# Altium PCB Copy of PCB1.PcbDoc (part 2 of 3) (continued)
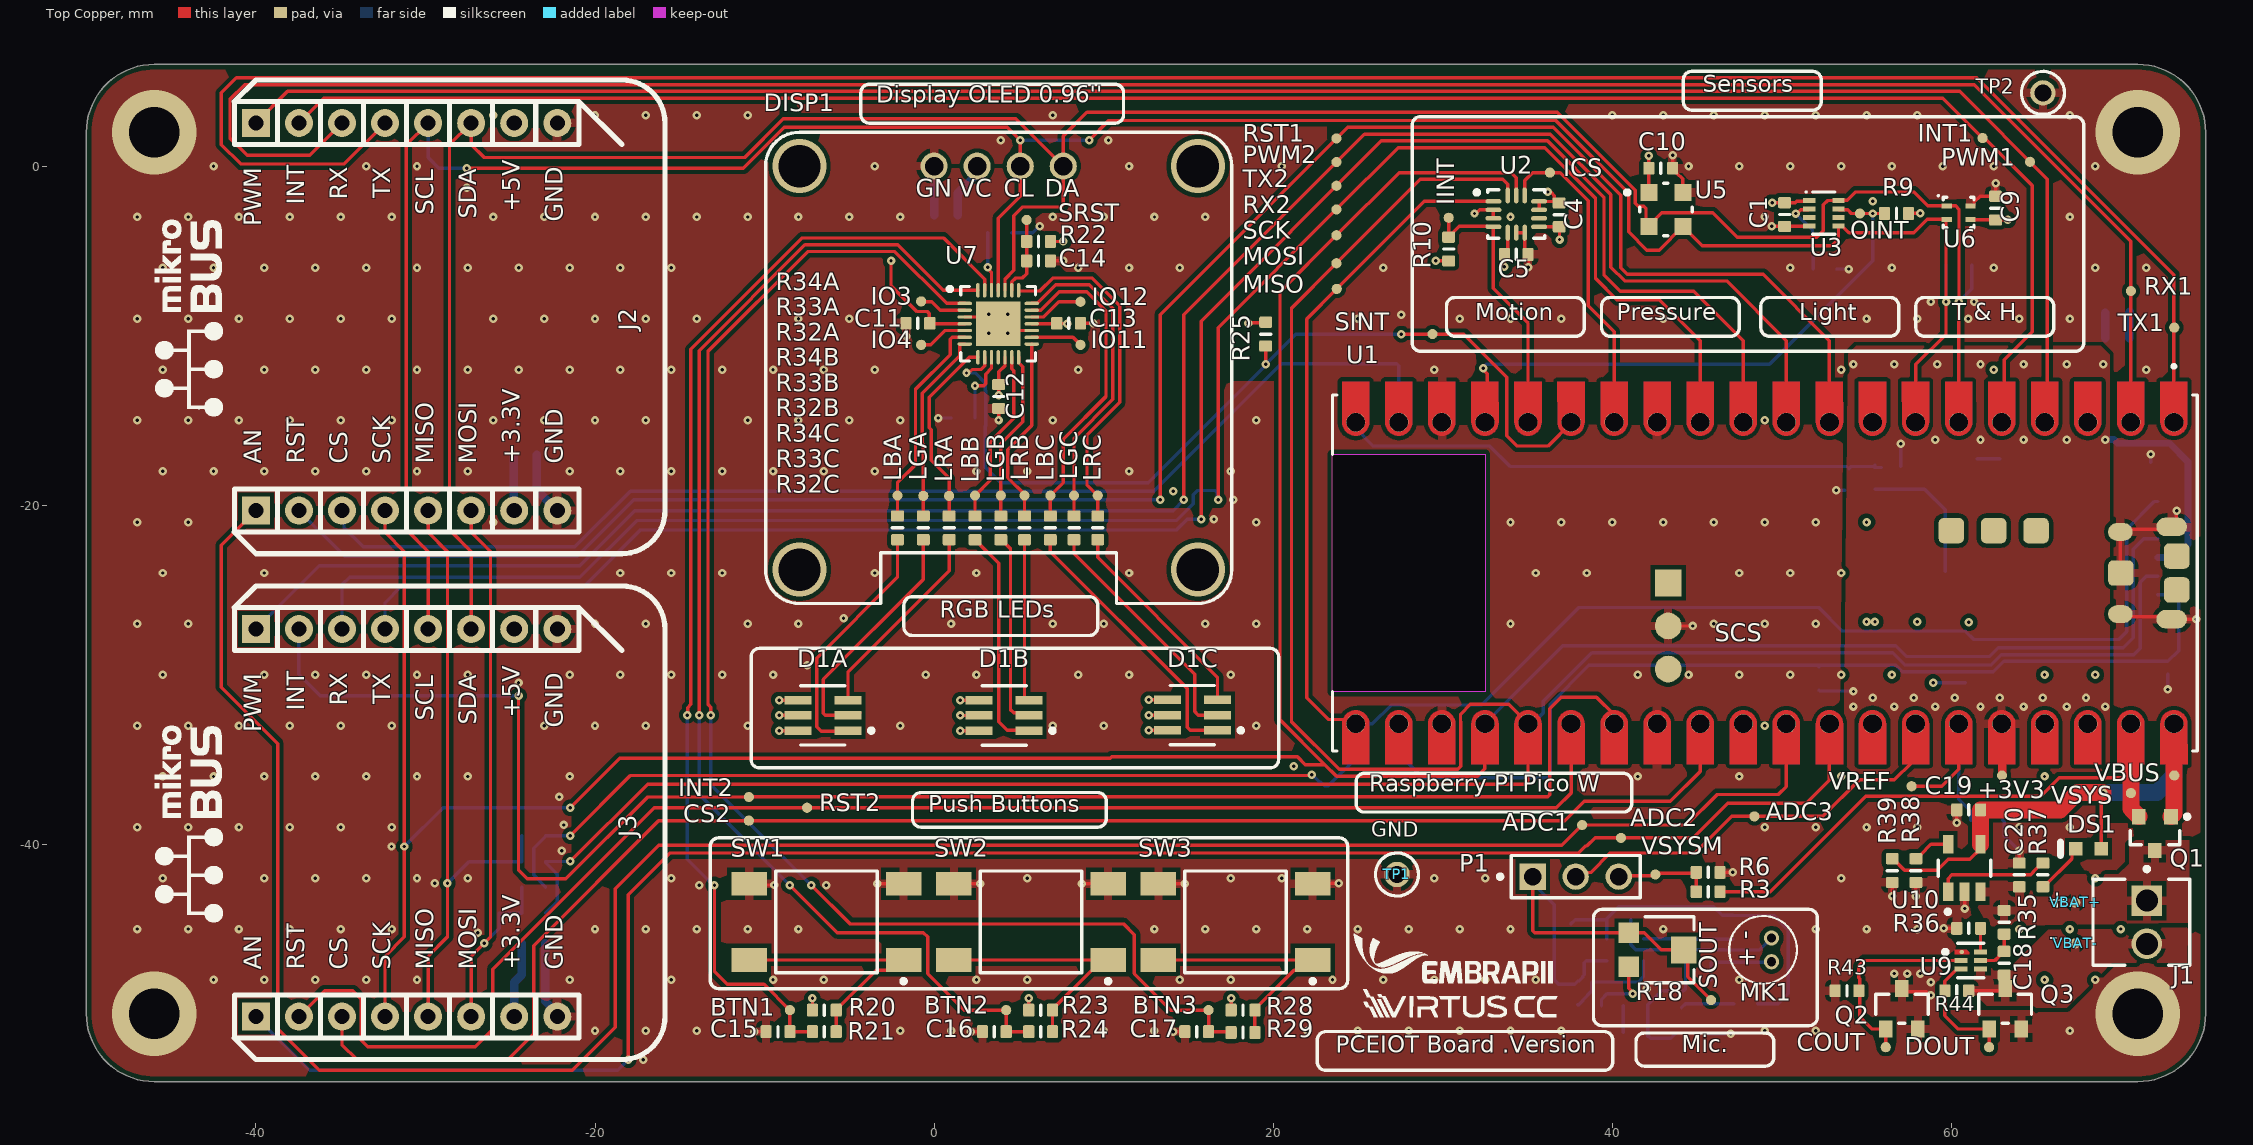
[diagram p0: Top Copper view]
## Nets (pads, with @x,y where several pads share a name; then routed paths per layer and width w, separated by ;. In a path a pad name is that pad's centre, name@x,y a point inside that pad or via, vN(x,y) a via of type N, cw(c..) or ccw(c..) an arc to the next point about the centre after c; other vN are vias at no path point) (continued)
  Top Copper w0.2: SW1.4@-10.9,-42.327 -10.825,-42.402 v1(-9.429,-42.402) ; v1(-10.6,-51.054) C15.1@-9.906,-51.054 ; v1(-3.346,-42.327) SW1.3@-1.8,-42.327 ; v1(-1.654,-10.033) C11.1@-1.654,-9.271 ; SW2.4@1.165,-42.327 v1(2.711,-42.327) ; U7.3@1.809,-8.898 3.084,-8.898 v1(3.234,-8.748) ; v1(2.159,-51.054) C16.1@2.853,-51.054 ; v1(3.802,-14.978) 3.806,-14.974 3.806,-14.355 C12.1@3.81,-14.351 ; v1(4.334,-9.848) 4.484,-9.698 U7.17@5.759,-9.698 ; C14.1@6.861,-5.588 v1(7.623,-5.588) ; C13.1@8.636,-9.271 v1(9.398,-9.271) ; v1(8.719,-42.327) SW2.3@10.265,-42.327 ; SW3.4@13.23,-42.327 v1(14.776,-42.327) ; v1(14.097,-51.054) C17.1@14.791,-51.054 ; SW3.3@22.33,-42.291 v1(23.876,-42.291) ; v1(31.877,-2.794) 31.958,-2.794 32.174,-2.578 U2.2@32.989,-2.578 U2.3@32.989,-3.078 ; U2.6@34.339,-3.928 U2.7@34.839,-3.928 34.839,-4.879 35.117,-5.157 C5.1@35.117,-5.207 ; v1(35.041,-5.969) C5.1@35.041,-5.207 ; U2.10@35.689,-2.578 U2.11@35.689,-2.078 35.699,-2.088 C4.1@36.731,-2.088 ; v1(36.195,-1.524) 36.252,-1.581 36.432,-1.581 36.591,-1.74 36.591,-1.948 C4.1@36.731,-2.088 ; C4.1@36.871,-2.178 C4.1@36.826,-2.133 ; U1.F@43.3,-27.124 v1(44.75,-27.124) ; v1(43.564,0.635) C10.1@43.564,-0.127 43.564,-0.177 43.794,-0.407 43.815,-0.407 44.164,-0.756 U5.4@44.164,-1.556 ; R6.1@46.355,-41.656 R6.1@46.358,-41.656 v1(47.117,-41.656) ; v1(49.403,-3.556) C1.2@50.165,-3.556 50.179,-3.542 51.61,-3.542 U3.4@51.624,-3.528 ; v1(56.515,-43.053) R39.1@56.515,-42.291 ; Q2.3@57.465,-48.698 57.471,-48.692 58.517,-48.692 58.72,-48.895 v1(58.801,-48.895) ; v1(57.912,-43.053) R38.1@57.912,-42.291 ; v1(59.56,-44.958) R36.1@60.322,-44.958 ; v1(60.322,-38.735) C19.1@60.322,-37.973 ; v1(60.782,-43.79) U10.2@60.782,-42.875 ; U6.4@61.136,-2.342 61.286,-2.342 61.336,-2.292 61.336,-2.142 61.703,-1.775 C9.1@62.611,-1.775 v1(62.611,-1.013) ; C20.1@64.008,-41.148 v1(64.008,-40.386) ; U1.D@69.97,-26.425 70.12,-26.575 72.85,-26.575 U1.B@73,-26.725 v1(74.45,-26.725) ; U1.TP1@70,-24 69.97,-23.97 U1.C@69.97,-21.575 70.12,-21.425 72.85,-21.425 U1.A@73,-21.275 73.349,-20.926 73.345,-20.926 73.278,-20.859 73.278,-20.348 v1(73.306,-20.32) ; C4.1@36.731,-2.088 36.781,-2.088 C4.1@36.826,-2.133 ; C4.1@36.731,-2.088 36.776,-2.133 C4.1@36.826,-2.133
  Bottom Copper w0.2: v1(0.254,-14.859) R30.1@1.013,-14.859 ; R31.1@4.575,-3.937 5.826,-3.937 6.207,-3.556 v1(6.223,-3.556) ; L2.2@45.689,-51.181 v1(46.99,-51.181) ; v1(53.213,-19.115) C27.1@53.721,-19.115 ; R13.1@53.247,-6.065 53.25,-6.068 53.947,-6.068 v1(53.95,-6.071) ; v1(58.928,-30.48) 58.929,-30.481 60.832,-30.481 SKT1.13@60.833,-30.483 ; SKT1.12@61.513,-17.272 62.865,-17.272 ; U8.2@63.043,-38.583 63.122,-38.662 63.122,-39.5 v1(64.008,-40.386) ; SKT1.11@71.755,-17.465 v1(71.755,-16.991) ; v1(72.76,-30.869) SKT1.14@72.76,-29.98
  Bottom Copper w0.5: C21.1@-23.43,-17.018 C22.1@-23.43,-18.288 -23.43,-19.115 J2.8@-22.225,-20.32 ; C23.1@-22.922,-45.847 C24.1@-22.922,-47.117 -22.922,-49.27 -22.225,-49.967 J3.8@-22.225,-50.165 ; C29.1@0,-2.901 C28.1@0,-1.651 DISP1.1@0,0 ; C26.1@70.488,-10.16 C25.1@70.488,-8.636 C25.1@70.53,-8.594
  other v1: -17.145,-52.705 -20,-51 -17,-51 -14,-51 -2,-51 1,-51 10,-51 13,-51 22,-51 25,-51 28,-51 31,-51 34,-51 37,-51 49,-51 52,-51 67,-51 42.037,-48.514 58.801,-48.133 -42.5,-48 -39.5,-48 -36.5,-48 -33.5,-48 -30.5,-48 -21.5,-48 -15.5,-48 -9.5,-48 -6.5,-48 2.5,-48 5.5,-48 14.5,-48 17.5,-48 23.5,-48 26.5,-48 29.5,-48 32.5,-48 35.5,-48 47.5,-48 65.5,-48 68.5,-48 56.642,-47.625 57.404,-47.625 58.166,-47.625 -26.924,-45.212 -47,-45 -44,-45 -41,-45 -38,-45 -35,-45 -32,-45 -20,-45 -17,-45 -14,-45 -11,-45 -8,-45 13,-45 16,-45 19,-45 22,-45 25,-45 28,-45 31,-45 34,-45 43,-45 52,-45 55,-45 58,-45 64,-45 67,-45 70,-45 -13.843,-42.418 -6.35,-42.418 -29.464,-42.291 -45.5,-42 -42.5,-42 -39.5,-42 -36.5,-42 -33.5,-42 -30.5,-42 -27.5,-42 -15.5,-42 5.5,-42 17.5,-42 20.5,-42 29.5,-42 32.5,-42 53.5,-42 68.5,-42 -21.971,-40.386 -32.004,-40.132 -47,-39 -44,-39 -41,-39 -38,-39 -35,-39 -32,-39 49,-39 52,-39 55,-39 58,-39 64,-39 67,-39 -21.844,-38.862 -22.098,-37.211 -45.5,-36 -42.5,-36 -39.5,-36 -36.5,-36 -33.5,-36 -30.5,-36 -27.5,-36 -21.5,-36 41.5,-36 47.5,-36 53.5,-36 65.5,-36 21.209,-35.391 -47,-33 -44,-33 -41,-33 -38,-33 -35,-33 -32,-33 -23,-33 -20,-33 -17,-33 -11,-33 -2,-33 7,-33 10,-33 19,-33 49,-33 -24.511,-30.48 -45.5,-30 -39.5,-30 -36.5,-30 -33.5,-30 -30.5,-30 -27.5,-30 -21.5,-30 -18.5,-30 -15.5,-30 -12.5,-30 -9.5,-30 -0.5,-30 2.5,-30 8.5,-30 11.5,-30 17.5,-30 41.5,-30 44.5,-30 47.5,-30 50.5,-30 53.5,-30 56.5,-30 65.5,-30 68.5,-30 -7.48,-29.453 -47,-27 -44,-27 -20,-27 -17,-27 -11,-27 -8,-27 1,-27 7,-27 10,-27 16,-27 19,-27 34,-27 46,-27 49,-27 52,-27 61.035,-26.915 55,-26.873 55.499,-26.873 58,-26.873 -5.34,-26.66 -45.5,-24 -39.5,-24 -18.5,-24 -15.5,-24 -12.5,-24 -3.5,-24 2.5,-24 11.5,-24 35.5,-24 38.5,-24 47.5,-24 50.5,-24 53.5,-24 -47,-21 -44,-21 -26,-21 19,-21 34,-21 37,-21 40,-21 43,-21 46,-21 49,-21 52,-21 55,-21 16.51,-20.828 17.653,-19.685 14.097,-19.177 -45.5,-18 -42.5,-18 -39.5,-18 -36.5,-18 -33.5,-18 -30.5,-18 -27.5,-18 -21.5,-18 -18.5,-18 -15.5,-18 -12.5,-18 -9.5,-18 -6.5,-18 -3.5,-18 2.5,-18 5.5,-18 11.5,-18 17.5,-18 -47,-15 -44,-15 -41,-15 -38,-15 -35,-15 -32,-15 -26,-15 -23,-15 -20,-15 -17,-15 -11,-15 -8,-15 -5,-15 -2,-15 7,-15 19,-15 49,-15 -45.5,-12 -42.5,-12 -39.5,-12 -36.5,-12 -33.5,-12 -30.5,-12 -27.5,-12 -24.5,-12 -21.5,-12 -18.5,-12 -15.5,-12 -12.5,-12 -9.5,-12 -6.5,-12 -3.5,-12 8.5,-12 29.5,-12 53.5,-12 62.5,-12 71.5,-12 3.234,-9.848 -47,-9 -44,-9 -41,-9 -38,-9 -35,-9 -32,-9 -26,-9 -23,-9 -20,-9 -17,-9 -14,-9 -8,-9 -5,-9 25,-9 31,-9 34,-9 37,-9 43,-9 55,-9 58,-9 61,-9 64,-9 67,-9 27.559,-8.763 4.334,-8.748 58.801,-8.001 61.341,-8.001 -45.5,-6 -42.5,-6 -39.5,-6 -36.5,-6 -33.5,-6 -30.5,-6 -27.5,-6 -24.5,-6 -21.5,-6 -18.5,-6 -15.5,-6 8.5,-6 11.5,-6 14.5,-6 26.5,-6 50.5,-6 56.5,-6 62.5,-6 68.5,-6 71.5,-6 -47,-3 -44,-3 -41,-3 -38,-3 -35,-3 -32,-3 -26,-3 -23,-3 -20,-3 -17,-3 -14,-3 -11,-3 -8,-3 -5,-3 -2,-3 7,-3 10,-3 13,-3 16,-3 34,-3 49,-3 67,-3 55.372,-2.074 -27.559,-1.27 -42.5,0 -33.5,0 -30.5,0 -3.5,0 11.5,0 20.5,0 44.5,0 47.5,0 50.5,0 53.5,0 56.5,0 59.5,0 62.5,0 68.5,0 3.937,1.524 10.287,1.524 -26,3 -20,3 -17,3 -14,3 -11,3 7,3 40,3 43,3 46,3 49,3 52,3 55,3 58,3 67,3
  other v2: -46,-50 71,-50 -46,2 71,2
GP0/MB1_TX: J2.13 TX1.1 U1.1 | length 143.2
  Top Copper w0.2: J2.13@-32.385,2.54 -34.798,0.127 -40.894,0.127 -42.037,1.27 -42.037,4.318 -41.148,5.207 61.514,5.207 73.132,-6.411 U1.1@73.132,-15.107
GP1/MB1_RX: J2.14 RX1.1 U1.2 | length 137.1
  Top Copper w0.2: J2.14@-34.925,2.54 -36.83,0.635 -40.513,0.635 -41.529,1.651 -41.529,3.937 -40.659,4.807 61.348,4.807 70.592,-4.437 RX1.1@70.592,-7.366 U1.2@70.592,-15.107
GP2/MB1_PWM: J2.16 PWM1.1 U1.4 | length 123
  Top Copper w0.2: J2.16@-40.005,2.54 -38.138,4.407 60.49,4.407 65.659,-0.762 65.659,-14.961 U1.4@65.512,-15.107
GP3/MB1_INT: INT1.1 J2.15 U1.5 | length 119.6
  Top Copper w0.2: J2.15@-37.465,2.54 -35.998,4.007 59.493,4.007 INT1.1@61.849,1.651 ; INT1.1@61.912,1.714 64.77,-1.143 64.77,-9.779 63.119,-11.43 63.119,-14.961 U1.5@62.972,-15.107
GP4/I2C0_SDA: DISP1.4 J2.11 J3.11 R2.2 SDA.1 U1.6 U3.8 U5.2 U6.1 U7.24 | length 157
  Top Copper w0.2: J3.11@-27.305,-27.305 -27.305,-22.733 -28.575,-21.463 -28.585,-21.463 -28.585,1.26 J2.11@-27.305,2.54 -27.305,1.27 -26.543,0.508 -11.176,0.508 -8.89,2.794 4.826,2.794 DISP1.4@7.62,0 ; U7.24@4.184,-7.323 4.184,-6.998 4.184,-6.667 4.699,-6.152 4.699,-2.921 5.207,-2.413 7.493,-2.413 7.62,-2.286 DISP1.4@7.62,0 ; U1.6@60.432,-15.107 60.432,-8.021 v1(60.452,-8.001) 60.452,-2.54 60.254,-2.342 U6.1@59.736,-2.342 58.603,-2.342 57.785,-1.524 54.356,-1.524 53.865,-2.015 53.357,-2.015 U3.8@53.344,-2.028 52.709,-2.028 52.451,-2.286 52.451,-3.81 52.075,-4.186 47.366,-4.186 45.936,-2.756 42.911,-2.756 42.564,-3.103 42.564,-3.156 U5.2@42.164,-3.556 41.989,-3.381 41.989,-2.473 41.872,-2.356 41.54,-2.356 41.364,-2.18 41.364,-1.428 36.761,3.175 9.017,3.175 7.62,1.778 DISP1.4@7.62,0
  Bottom Copper w0.2: v1(60.452,-8.001) SDA.1@61.214,-7.239 R2.2@61.214,-5.842
GP5/I2C0_SCL: DISP1.3 J2.12 J3.12 R1.2 SCL.1 U1.7 U3.5 U5.3 U6.2 U7.25 | length 155.9
  Top Copper w0.2: J3.12@-29.845,-27.305 -29.845,-22.733 -31.115,-21.463 -31.125,-21.463 -31.125,1.26 J2.12@-29.845,2.54 ; v1(-27.559,-0.127) -11.245,-0.127 -8.832,2.286 4.318,2.286 v1(5.08,1.524) DISP1.3@5.08,0 5.08,-1.778 3.784,-3.074 U7.25@3.784,-7.323 U7.25@3.784,-7.366 ; v1(9.144,1.524) 10.311,2.691 36.679,2.691 40.964,-1.594 40.964,-3.88 42.037,-4.953 42.767,-4.953 U5.3@44.164,-3.556 45.307,-4.699 52.959,-4.699 53.344,-4.314 U3.5@53.344,-3.528 53.554,-3.528 53.604,-3.578 53.963,-3.937 57.785,-3.937 58.58,-3.142 U6.2@59.736,-3.142 59.69,-3.188 v1(59.69,-8.001) 59.69,-9.906 57.912,-11.684 57.912,-15.088 U1.7@57.892,-15.107
  Bottom Copper w0.2: J2.12@-29.845,2.54 -29.845,0.508 -29.21,-0.127 v1(-27.559,-0.127) ; v1(5.08,1.524) v1(9.144,1.524) ; v1(59.69,-8.001) SCL.1@59.69,-7.239 R1.2@59.69,-5.845
GP6/MB1_RST: J2.2 RST1.1 U1.9 | length 120.8
  Top Copper w0.2: v1(13.335,-19.685) 13.335,-8.763 24.389,2.291 36.513,2.291 40.513,-1.709 40.513,-5.993 40.894,-6.374 48.899,-6.374 52.812,-10.287 U1.9@52.812,-15.107
  Bottom Copper w0.2: J2.2@-37.465,-20.32 -34.773,-23.012 -21.05,-23.012 -17.722,-19.685 v1(13.335,-19.685)
GP7/MB2_PWM: J3.16 PWM2.1 U1.10 | length 121.1
  Top Copper w0.2: v1@14.732,-19.675 14.732,-8.763 PWM2.1@23.734,0.239 25.386,1.891 36.348,1.891 39.913,-1.674 39.913,-5.959 40.728,-6.774 46.759,-6.774 50.272,-10.287 U1.10@50.272,-15.107
  Bottom Copper w0.2: J3.16@-40.005,-27.305 -36.271,-23.571 -20.904,-23.571 -17.653,-20.32 14.097,-20.32 v1(14.732,-19.685)
GP8/MB2_TX: J3.13 TX2.1 U1.11 | length 112.2
  Top Copper w0.2: v1(15.748,-20.828) 15.748,-9.144 26.383,1.491 36.182,1.491 39.513,-1.84 39.513,-6.407 40.48,-7.374 44.819,-7.374 47.732,-10.287 U1.11@47.732,-15.107
  Bottom Copper w0.2: J3.13@-32.385,-27.305 -32.385,-25.75 -31.451,-24.816 -20.676,-24.816 -17.323,-21.463 14.297,-21.463 14.932,-20.828 v1(15.748,-20.828)
GP9/MB2_RX: J3.14 RX2.1 U1.12 | length 112.6
  Top Copper w0.2: v1(16.764,-19.685) 16.764,-9.525 RX2.1@23.734,-2.555 27.38,1.091 36.016,1.091 39.013,-1.906 39.013,-6.614 40.273,-7.874 42.779,-7.874 45.192,-10.287 U1.12@45.192,-15.107
  Bottom Copper w0.2: J3.14@-34.925,-27.305 -34.925,-24.706 -34.476,-24.257 -20.897,-24.257 -17.545,-20.904 14.291,-20.904 15.282,-19.913 15.282,-19.373 15.52,-19.135 16.588,-19.135 16.707,-19.253 16.707,-19.628 v1(16.764,-19.685)
GP10/MOT_CSn: ICS.1 U1.14 U2.12 | length 19.2
  Top Copper w0.2: U2.12@34.839,-1.728 34.839,-0.848 35.306,-0.381 ICS.1@36.322,-0.381 36.923,-0.381 38.591,-2.049 38.591,-8.238 40.112,-9.759 U1.14@40.112,-15.107
GP11/SX_INTn: R25.1 SINT.1 U1.15 U7.9 | length 53.1
  Top Copper w0.2: v1(1.913,-12.2) 1.994,-12.2 2.111,-12.083 2.174,-12.083 2.259,-11.998 2.75,-11.998 2.984,-11.764 U7.9@2.984,-11.273 ; v1(19.558,-11.684) R25.1@19.558,-10.606 ; v1(27.559,-9.906) 31.242,-9.906 33.782,-12.446 33.782,-15.903 34.389,-16.51 36.212,-16.51 37.572,-15.15 U1.15@37.572,-15.107
  Bottom Copper w0.2: v1(1.913,-12.2) 2.437,-12.2 3.03,-12.793 3.03,-13.246 3.043,-13.26 3.043,-15.315 3.03,-15.329 3.03,-17.762 3.937,-18.669 12.645,-18.669 19.558,-11.756 v1(19.558,-11.684) 21.336,-9.906 v1(27.559,-9.906)
GP12/ICM_INT1: IINT.1 R10.2 U1.16 U2.4 | length 16.2
  Top Copper w0.2: IINT.1@30.353,-3.302 R10.2@30.353,-4.191 30.403,-4.191 30.633,-3.961 30.633,-3.911 30.988,-3.556 32.603,-3.556 32.625,-3.578 U2.4@32.989,-3.578 32.989,-7.208 35.032,-9.251 U1.16@35.032,-15.107
GP13/OPT_INT: OINT.1 R9.1 U1.17 U3.7 | length 34.6
  Top Copper w0.2: v1(32.394,-11.929) 32.394,-12.011 32.639,-12.256 32.639,-13.045 32.492,-13.192 U1.17@32.492,-15.107 ; U3.7@53.344,-2.528 53.394,-2.578 53.886,-2.578 54.102,-2.794 OINT.1@54.61,-2.794 v1(55.372,-2.794) R9.1@56.069,-2.794
  Bottom Copper w0.2: v1(32.394,-11.929) 32.504,-11.758 32.578,-11.684 49.276,-11.684 55.372,-5.588 v1(55.372,-2.794)
GP14/MB1_CS: CS1.1 J2.3 U1.19 | length 71.6
  Bottom Copper w0.2: J2.3@-34.925,-20.32 -34.806,-20.439 -34.806,-21.328 -33.68,-22.454 -21.184,-22.454 -17.907,-19.177 12.954,-19.177 20.467,-11.664 27.295,-11.664 27.412,-11.781 U1.19@27.412,-15.107
GP20/MB2_RST: J3.2 RST2.1 U1.26 | length 90.8
  Top Copper w0.2: J3.2@-37.465,-50.165 -35.941,-48.641 -34.29,-48.641 -33.782,-49.149 -33.782,-51.562 -33.401,-51.943 -27.051,-51.943 -26.035,-50.927 -26.035,-47.371 -16.51,-37.846 36.703,-37.846 37.572,-36.977 U1.26@37.572,-32.887
GP21/MB2_INT: INT2.1 J3.15 U1.27 | length 99.6
  Top Copper w0.2: v1(-24.511,-31.242) -24.511,-41.529 -24.003,-42.037 -21.717,-42.037 -16.891,-37.211 INT2.1@-10.922,-37.211 -10.899,-37.188 36.205,-37.188 36.322,-37.071 36.322,-32.004 37.001,-31.325 39.072,-31.325 40.112,-32.365 U1.27@40.112,-32.887
  Bottom Copper w0.2: J3.15@-37.465,-27.305 -37.465,-29.972 -36.195,-31.242 v1(-24.511,-31.242)
GP22/MB2_CS: CS2.1 J3.3 U1.29 | length 95
  Top Copper w0.2: J3.3@-34.925,-50.165 -34.925,-51.816 -34.036,-52.705 -25.146,-52.705 -23.622,-51.181 -23.622,-45.974 -16.256,-38.608 37.211,-38.608 38.354,-37.465 43.434,-37.465 45.192,-35.707 U1.29@45.192,-32.887
GP26/MB1_ADC: ADC1.1 J2.1 U1.31 | length 138.1
  Top Copper w0.2: J2.1@-40.005,-20.32 -42.037,-22.352 -42.037,-30.734 -38.71,-34.061 -38.71,-50.895 -36.264,-53.34 -21.336,-53.34 -18.796,-50.8 -18.796,-43.434 -18.796,-42.614 -16.237,-40.056 37.033,-40.056 ADC1.1@38.227,-38.862 ; ADC1.1@38.354,-38.92 38.412,-38.862 44.392,-38.862 46.189,-37.065 49.803,-37.065 50.272,-36.596 U1.31@50.272,-32.887
GP27/MB2_ADC: ADC2.1 J3.1 U1.32 | length 110.3
  Top Copper w0.2: v1(-18.034,-52.705) -18.034,-42.977 -15.57,-40.513 38.037,-40.513 38.214,-40.336 38.449,-40.1 38.513,-40.1 38.989,-39.624 ADC2.1@40.513,-39.624 44.78,-39.624 46.812,-37.592 51.435,-37.592 52.812,-36.215 U1.32@52.812,-32.887
  Bottom Copper w0.2: J3.1@-40.005,-50.165 -36.83,-53.34 -18.669,-53.34 v1(-18.034,-52.705)
GP28/ADC2: ADC3.1 P1.2 U1.34 | length 25
  Top Copper w0.2: P1.2@37.85,-42.033 38.216,-41.667 38.724,-41.667 39.878,-40.513 44.889,-40.513 47.048,-38.354 ADC3.1@48.387,-38.354 52.426,-38.354 54.585,-36.195 56.642,-36.195 57.658,-35.179 57.658,-33.122 U1.34@57.892,-32.887
LED_BA: LRA.1 R32A.2 U7.8 | length 11.2
  Top Copper w0.2: R32A.2@0.889,-20.486 LRA.1@0.889,-19.45 0.889,-18.415 -0.169,-17.357 -0.169,-15.557 -0.296,-15.43 -0.296,-13.631 2.062,-11.273 U7.8@2.584,-11.273
LED_BB: LRB.1 R32B.2 U7.15 | length 11.2
  Top Copper w0.2: R32B.2@5.334,-20.636 LRB.1@5.334,-19.431 5.366,-19.399 4.337,-18.369 4.337,-16.72 5.759,-15.298 U7.15@5.759,-10.498 ; R32B.2@5.538,-20.636 R32B.2@5.588,-20.636
LED_BC: LRC.1 R32C.2 U7.22 | length 20.5
  Top Copper w0.2: U7.22@4.984,-7.323 4.984,-7.366 6.223,-7.366 6.988,-6.601 9.326,-6.601 10.96,-8.235 10.96,-13.932 9.017,-15.875 9.017,-18.796 LRC.1@9.652,-19.431 R32C.2@9.652,-20.636
LED_GA: LGA.1 R33A.2 U7.7 | length 11.4
  Top Copper w0.2: R33A.2@-0.635,-20.636 -0.635,-19.558 -0.635,-16.415 -0.696,-16.354 -0.696,-13.396 1.524,-11.176 1.524,-10.498 U7.7@1.809,-10.498
LED_GB: LGB.1 R33B.2 U7.14 | length 9.7
  Top Copper w0.2: R33B.2@3.937,-20.636 LGB.1@3.937,-19.431 ; LGB.1@3.937,-19.169 3.937,-16.373 5.231,-15.079 5.231,-11.845 4.984,-11.598 U7.14@4.984,-11.273
LED_GC: LGC.1 R33C.2 U7.21 | length 19
  Top Copper w0.2: U7.21@5.759,-8.098 6.084,-8.098 7.181,-7.001 9.16,-7.001 10.541,-8.382 10.541,-13.755 8.255,-16.041 LGC.1@8.255,-19.431 R33C.2@8.255,-20.636
LED_RA: LBA.1 R34A.2 U7.6 | length 12.6
  Top Copper w0.2: R34A.2@-2.159,-20.636 LBA.1@-2.159,-19.431 -2.159,-18.669 -1.096,-17.606 -1.096,-13.161 0.951,-11.114 0.951,-10.215 1.068,-10.098 U7.6@1.809,-10.098
LED_RB: LBB.1 R34B.2 U7.13 | length 10.4
  Top Copper w0.2: R34B.2@2.413,-20.636 LBB.1@2.413,-19.431 3.302,-18.542 3.302,-16.256 4.699,-14.859 4.699,-12.065 4.584,-11.95 U7.13@4.584,-11.273
LED_RC: LBC.1 R34C.2 U7.20 | length 18.8
  Top Copper w0.2: U7.20@5.759,-8.498 6.297,-8.498 7.394,-7.401 8.994,-7.401 10.141,-8.548 10.141,-13.589 7.62,-16.11 7.62,-18.669 LBC.1@6.858,-19.431 R34C.2@6.858,-20.636
MB1_MISO: J2.5 J3.5 MB_MISO.1 R4.2 R5.2 | length 37.2
  Top Copper w0.2: J3.5@-29.845,-50.165 -29.845,-46.609 -28.702,-45.466 v1(-28.702,-42.291) -28.702,-22.733 -29.845,-21.59 J2.5@-29.845,-20.32
  Bottom Copper w0.2: v1(-28.702,-42.291) -27.432,-41.021 MB_MISO.1@-25.654,-41.021 R5.2@-24.322,-41.021 R4.2@-24.322,-39.497
MB1_MOSI: J2.6 J3.6 MB_MOSI.1 R7.2 R8.2 | length 35.8
  Top Copper w0.2: J3.6@-27.305,-50.165 -27.305,-46.609 v1(-26.543,-45.847) -26.162,-45.466 -26.162,-22.733 -27.305,-21.59 J2.6@-27.305,-20.32
  Bottom Copper w0.2: v1(-26.543,-45.847) -25.654,-44.958 MB_MOSI.1@-25.654,-44.069 R8.2@-24.322,-44.069 R7.2@-24.322,-42.545
MIC_OUT: C7.2 MOUT.1 P1.1 R18.1 R18.2 SOUT.1 U4.4 | length 26.5
  Top Copper w0.2: P1.1@35.322,-41.997 35.322,-45.111 35.439,-45.228 R18.1@40.975,-45.228 41.896,-45.228 42.896,-46.228 R18.2@44.225,-46.228 44.45,-46.453 44.45,-47.812 SOUT.1@45.836,-49.198
  Bottom Copper w0.2: P1.1@35.306,-42.291 36.576,-43.561 36.576,-48.006 36.83,-48.26 37.781,-48.26 C7.2@37.973,-48.068 ; C7.2@38.023,-48.068 38.253,-47.838 38.253,-47.788 38.354,-47.687 38.354,-46.99 38.472,-46.872 U4.4@39.692,-46.872
NetC3_2: C3.2 R11.1 R14.2 | length 3.2
  Bottom Copper w0.2: C3.2@44.084,-49.645 C3.2@44.323,-49.406 R14.2@45.847,-49.406 45.849,-49.408 47.177,-49.408 R11.1@47.179,-49.409
NetC6_1: C6.1 R15.1 R16.2 U4.1 | length 5.3
  Bottom Copper w0.2: U4.1@41.842,-45.572 41.849,-45.579 R16.2@44.323,-45.579 ; R16.2@44.323,-45.595 45.845,-45.595 C6.1@45.847,-45.596 45.849,-45.598 47.115,-45.598 R15.1@47.117,-45.599
NetC6_2: C6.2 MK1.P R14.1 | length 4.6
  Bottom Copper w0.2: R14.1@45.847,-48.006 C6.2@45.847,-46.996 C6.2@45.878,-46.965 ; C6.2@45.878,-46.959 49.364,-46.959 MK1.P@49.395,-46.928
NetC7_1: C7.1 R17.2 R19.1 U4.3 | length 5.8
  Bottom Copper w0.2: C7.1@37.973,-49.468 38.023,-49.468 38.253,-49.238 38.253,-49.188 38.777,-48.664 38.777,-48.127 R19.1@39.37,-48.127 R17.2@40.64,-48.127 41.529,-48.127 41.842,-47.814 U4.3@41.842,-46.872
NetC8_2: C8.2 R17.1 | length 1.6
  Bottom Copper w0.2: C8.2@40.64,-51.079 R17.1@40.64,-49.527
NetC14_2: C14.2 R22.1 SRST.1 U7.23 | length 4.7
  Top Copper w0.2: U7.23@4.584,-7.323 4.584,-6.832 4.818,-6.598 5.213,-6.598 5.461,-6.35 C14.2@5.461,-5.588 R22.1@5.461,-4.445 SRST.1@5.461,-3.175
NetC18_2: C18.2 R35.1 U9.5 | length 2.4
  Top Copper w0.2: U9.5@61.976,-46.855 62.579,-46.855 62.839,-46.595 62.839,-46.545 63.069,-46.315 C18.2@63.119,-46.315 R35.1@63.119,-45.302
NetCOUT_1: COUT.1 Q2.1 R43.2 U9.2 | length 11.9
  Top Copper w0.2: COUT.1@56.134,-51.968 Q2.1@56.134,-50.898 55.343,-50.898 54.61,-50.165 54.61,-47.941 54.548,-47.879 54.548,-47.171 54.864,-46.855 60.191,-46.855 U9.2@60.445,-46.855
NetD1A_1: D1A.1 R34A.1 | length 15
  Top Copper w0.2: D1A.1@-5.08,-33.296 -5.128,-33.344 -6.661,-33.344 -6.93,-33.075 -6.93,-29.028 -2.159,-24.257 R34A.1@-2.159,-22.036
NetD1A_2: D1A.2 R33A.1 | length 14.4
  Top Copper w0.2: D1A.2@-5.08,-32.396 -5.091,-32.385 -6.413,-32.385 -6.53,-32.268 -6.53,-30.279 -0.635,-24.384 R33A.1@-0.635,-22.036 ; D1A.2@-4.53,-32.396 D1A.2@-4.38,-32.246 ; R33A.1@-0.508,-22.036 R33A.1@-0.489,-22.055
NetD1A_3: D1A.3 R32A.1 | length 11.9
  Top Copper w0.2: D1A.3@-5.08,-31.496 -5.08,-29.845 0.889,-23.876 R32A.1@0.889,-22.036
NetD1B_1: D1B.1 R34B.1 | length 13.3
  Top Copper w0.2: R34B.1@2.413,-22.036 3.81,-23.433 3.81,-32.766 4.318,-33.274 5.579,-33.274 D1B.1@5.607,-33.302
NetD1B_2: D1B.2 R33B.1 | length 11.5
  Top Copper w0.2: R33B.1@3.937,-22.036 3.987,-22.036 4.507,-22.556 4.507,-32.07 4.689,-32.252 5.457,-32.252 D1B.2@5.607,-32.402
NetD1B_3: D1B.3 R32B.1 | length 9.7
  Top Copper w0.2: R32B.1@5.334,-22.036 5.334,-31.352 5.484,-31.502 D1B.3@5.607,-31.502
NetD1C_1: D1C.1 R34C.1 | length 16.3
  Top Copper w0.2: R34C.1@6.858,-22.036 6.858,-22.733 14.937,-30.812 14.937,-33.098 15.113,-33.274 16.704,-33.274 D1C.1@16.715,-33.285
NetD1C_2: D1C.2 R33C.1 | length 14.5
  Top Copper w0.2: R33C.1@8.255,-22.036 8.255,-22.86 15.367,-29.972 15.367,-32.169 15.583,-32.385 D1C.2@16.715,-32.385
NetD1C_3: D1C.3 R32C.1 | length 12.4
  Top Copper w0.2: R32C.1@9.652,-22.036 9.652,-23.082 16.715,-30.145 D1C.3@16.715,-31.485
NetDOUT_1: DOUT.1 Q3.1 R44.2 U9.3 | length 7.3
  Top Copper w0.2: U9.3@60.297,-47.396 59.625,-48.068 59.625,-50.103 60.42,-50.898 Q3.1@62.23,-50.898 DOUT.1@62.23,-51.968 ; U9.3@60.297,-47.395 60.337,-47.355 U9.3@60.572,-47.355
NetDS1_2: DS1.2 R37.1 | length 3.1
  Top Copper w0.2: R37.1@65.405,-42.508 65.455,-42.508 67.121,-40.842 67.121,-40.472 DS1.2@67.334,-40.259
NetIO3_1: IO3.1 U7.2 | length 2.8
  Top Copper w0.2: IO3.1@-0.762,-7.976 -0.737,-8.001 -0.127,-8.001 0.37,-8.498 U7.2@1.809,-8.498
NetIO4_1: IO4.1 U7.5 | length 2.9
  Top Copper w0.2: IO4.1@-0.762,-10.541 -0.203,-10.541 0.64,-9.698 U7.5@1.809,-9.698
NetIO11_1: IO11.1 U7.16 | length 3.1
  Top Copper w0.2: U7.16@5.759,-10.098 8.193,-10.098 IO11.1@8.636,-10.541
NetIO12_1: IO12.1 U7.19 | length 3.2
  Top Copper w0.2: U7.19@5.759,-8.898 6.469,-8.898 7.366,-8.001 IO12.1@8.636,-8.001
NetR12_2: R12.2 R13.2 U3.2 | length 4.6
  Top Copper w0.2: v1(50.821,-2.797) 50.903,-2.797 51.122,-2.578 51.574,-2.578 U3.2@51.624,-2.528
  Bottom Copper w0.2: v1(50.821,-2.797) 51.816,-3.792 51.816,-4.891 R12.2@51.847,-4.922 R13.2@51.847,-6.065
NetR18_3: R18.3 R19.2 | length 4.1
  Top Copper w0.2: R18.3@40.975,-47.228 40.975,-48.503 41.218,-48.746 v1(41.218,-48.827)
  Bottom Copper w0.2: R19.2@39.37,-49.527 39.37,-49.149 39.692,-48.827 v1(41.218,-48.827)
NetR20_2: R20.2 R21.1 SW1.1 SW1.2 | length 15.2
  Top Copper w0.2: SW1.2@-10.9,-46.827 -2.032,-46.827 -2.632,-47.427 -3.417,-47.427 -5.494,-49.504 -5.544,-49.504 -5.774,-49.734 R20.2@-5.774,-49.784 R21.1@-5.774,-51.054 R21.1@-5.774,-51.104
NetR23_2: R23.2 R24.1 SW2.1 SW2.2 | length 15
  Top Copper w0.2: SW2.2@1.165,-46.827 SW2.1@10.265,-46.827 9.665,-47.427 9.292,-47.427 6.985,-49.734 R23.2@6.985,-49.784 R24.1@6.985,-51.054 R24.1@6.985,-51.104
NetR28_2: R28.2 R29.1 SW3.1 SW3.2 | length 15.1
  Top Copper w0.2: SW3.2@13.23,-46.827 SW3.1@22.33,-46.827 21.73,-47.427 21.23,-47.427 18.923,-49.734 R28.2@18.923,-49.784 R29.1@18.923,-51.104 R29.1@18.923,-51.154
NetR36_2: R36.2 U9.6 | length 1.4
  Top Copper w0.2: U9.6@61.722,-46.355 R36.2@61.722,-44.958
NetR37_2: R37.2 U10.1 | length 6.8
  Top Copper w0.2: U10.1@59.756,-42.802 59.817,-42.741 59.817,-42.027 60.036,-41.808 64.68,-41.808 64.842,-41.646 64.842,-41.621 65.355,-41.108 R37.2@65.405,-41.108
NetR38_2: R38.2 U10.5 | length 2.3
  Top Copper w0.2: R38.2@57.912,-40.854 57.962,-40.854 58.192,-40.624 58.192,-40.614 58.801,-40.005 U10.5@59.822,-40.005
NetR40_1: R40.1 R41.1 SKT1.9 | length 8.3
  Bottom Copper w0.2: R41.1@55.499,-19.05 R40.1@57.023,-19.05 58.42,-19.05 59.643,-20.273 SKT1.9@59.643,-23.908
NetSKT1_1: SKT1.1
NetSKT1_8: SKT1.8
SX15_ADDR0: R27.1 R31.2 U7.26 | length 3.6
  Top Copper w0.2: v1(3.175,-5.969) 3.175,-6.05 3.384,-6.259 U7.26@3.384,-7.323
  Bottom Copper w0.2: R27.1@3.175,-5.127 R27.1@3.175,-5.083 ; R31.2@3.175,-3.937 3.173,-3.938 R27.1@3.172,-5.08 R27.1@3.172,-5.08 3.173,-5.082 3.173,-5.967 v1(3.175,-5.969) v1@3.232,-5.912
SX15_ADDR1: R26.1 R30.2 U7.10 | length 4.3
  Top Copper w0.2: v1(2.413,-12.954) 2.931,-12.954 3.048,-12.837 3.048,-12.265 3.384,-11.929 U7.10@3.384,-11.273
  Bottom Copper w0.2: R30.2@2.413,-14.859 R26.1@2.413,-13.716 v1(2.413,-12.954)
VBAT+: C20.2 J1.1 Q1.3 R35.2 U10.3 VBAT+.1
VBAT-: C18.1 J1.2 Q3.3 R44.1 U9.4 VBAT-.1 | length 2.1
  Top Copper w0.2: R44.1@61.152,-48.641 63.037,-48.641 Q3.3@63.18,-48.498
VBUS: C19.2 DS1.1 Q1.1 R39.2 U1.40 U10.4 VBUS.1 | length 32.5
  Top Copper w0.2: R39.2@56.515,-40.854 56.565,-40.854 57.24,-41.529 59.182,-41.529 59.817,-40.894 61.083,-40.894 61.722,-40.255 U10.4@61.722,-40.005 ; DS1.1@68.834,-40.259 68.834,-37.165 68.961,-37.038 v1(68.961,-36.957)
  Top Copper w1: U10.4@61.722,-40.005 C19.2@61.722,-37.973 66.421,-37.973 67.437,-36.957 v1(68.961,-36.957) ; Q1.1@72.959,-38.37 73.132,-38.197 U1.40@73.132,-32.887
  Bottom Copper w1: v1(68.961,-36.957) 72.136,-36.957 73.132,-35.961 U1.40@73.132,-32.887
VREF: U1.35 U8.1 VREF.1 | length 11.9
  Top Copper w0.2: VREF.1@57.658,-36.576 59.436,-36.576 60.432,-35.58 U1.35@60.432,-32.887
  Bottom Copper w0.2: U1.35@60.432,-32.887 60.432,-37.343 61.143,-38.054 U8.1@61.143,-38.583
VSYS: Q1.2 R3.1 U1.39 VSYS.1 | length 32.7
  Top Copper w0.2: R3.1@46.358,-42.799 49.327,-42.799 54.953,-37.173 57.406,-37.173 57.409,-37.176 57.907,-37.176 57.91,-37.173 65.265,-37.173 66.37,-36.068 70.592,-36.068
  Top Copper w1: U1.39@70.592,-32.887 70.592,-36.068 VSYS.1@70.592,-36.986 70.592,-37.903 Q1.2@71.059,-38.37
VSYS_SENSE: P1.3 R3.2 R6.2 VSYSM.1 | length 6.2
  Top Copper w0.2: P1.3@40.386,-41.91 40.45,-41.846 42.482,-41.846 VSYSM.1@42.545,-41.783 42.609,-41.719 44.895,-41.719 R6.2@44.958,-41.656 R3.2@44.958,-42.749 ; R3.2@44.678,-42.519 44.728,-42.519 R3.2@44.958,-42.749 ; R3.2@44.958,-42.799 R3.2@44.958,-42.749
pads on no net: J2.10 J3.10 U1.30 U1.37 U1.E U1.G U1.TP2 U1.TP3 U1.TP4 U1.TP5 U1.TP6 U2.9 U3.3 U3.6 U7.11 U8.3 U9.1
copper on no net:
  other v3: -7.94,-23.8 15.56,-23.8 -7.94,0 15.56,0

## Polygon pours and split planes (outlines as drawn)
+3V3 on Top Copper "NONET_L01_P-001" (solid, remove dead copper, pour order 12): 53.92,-11.08 54.395,-10.604 68.821,-10.604 69.342,-11.125 69.342,-35.179 68.453,-36.068 54.467,-36.068 53.639,-35.24
GND on Top Copper "NONET_L01_P-001" (solid, remove dead copper, pour order 13): -50,-54 75.895,-54 75.895,6.807 75.641,7.061 74.854,6.274 -50,6.274
GND on Top Copper "NONET_L01_P-001" (solid, pour order 8): 56.007,-47.752 56.007,-49.403 58.728,-49.403 59.338,-48.793 59.338,-47.781 58.776,-47.219 56.54,-47.219
VBAT- on Top Copper "VBAT-_L01_P004" (solid, pour order 4): 73.949,-44.577 66.802,-44.577 66.167,-44.577 63.627,-47.117 61.341,-47.117 61.341,-48.768 62.23,-49.657 66.802,-49.657 69.469,-46.99 73.914,-46.99
GND on Top Copper "GND_L01_P000" (solid, pour order 0): 57.15,-49.911 57.15,-52.832 57.912,-53.594 64.77,-53.594 65.151,-53.213 65.151,-50.165 64.77,-49.784 57.277,-49.784
VBAT+ on Top Copper "VBAT+_L01_P002" (solid, pour order 2): 74.041,-44.641 62.23,-44.831 61.468,-43.561 61.468,-41.275 62.484,-41.275 62.992,-41.783 69.85,-41.783 70.485,-41.148 70.485,-40.005 70.866,-39.751 72.009,-39.751 74.041,-39.751
GND on Bottom Copper "NONET_L01_P-001" (solid, remove dead copper, pour order 18): 75.895,-54 -50,-54 -50,6.807 -49.746,7.061 -48.959,6.274 75.895,6.274
+3V3 on Bottom Copper "NONET_L01_P-001" (solid, remove dead copper, pour order 16): -26.218,-21.844 -21.336,-21.844 -18.209,-18.717 12.052,-18.674 20.955,-10.795 51.523,-10.795 56.666,-16.772 69.723,-16.772 69.723,-2.286 65.405,2.032 -10.693,2.032 -26.131,-13.406
+3V3 on Bottom Copper "Bottom Copper-No Net" (solid, pour order 9): -26.289,-53.975 62.611,-53.975 69.342,-47.244 69.342,-30.734 53.829,-30.734 53.829,-38.606 49.001,-43.434 17.399,-43.434 16.383,-42.418 16.383,-32.385 14.478,-30.48 -9.017,-30.48 -10.033,-30.861 -10.033,-33.528 -9.271,-34.036 -8.636,-33.909 12.065,-33.909 12.104,-42.418 11.176,-43.434 -24.003,-43.434 -26.289,-45.72